# Altium PCB NORA-B1-EVK.PcbDoc (part 1 of 6)
Units mil, origin at the board's own origin, x right, y up, seen from the top; angles counter-clockwise.
Board outline 4300 x 2200 mil, 4 copper layers (L1, L2, L3, L4), stack 61.418 mil thick; 362 components, 204 nets, 1273 pads, 1409 vias.
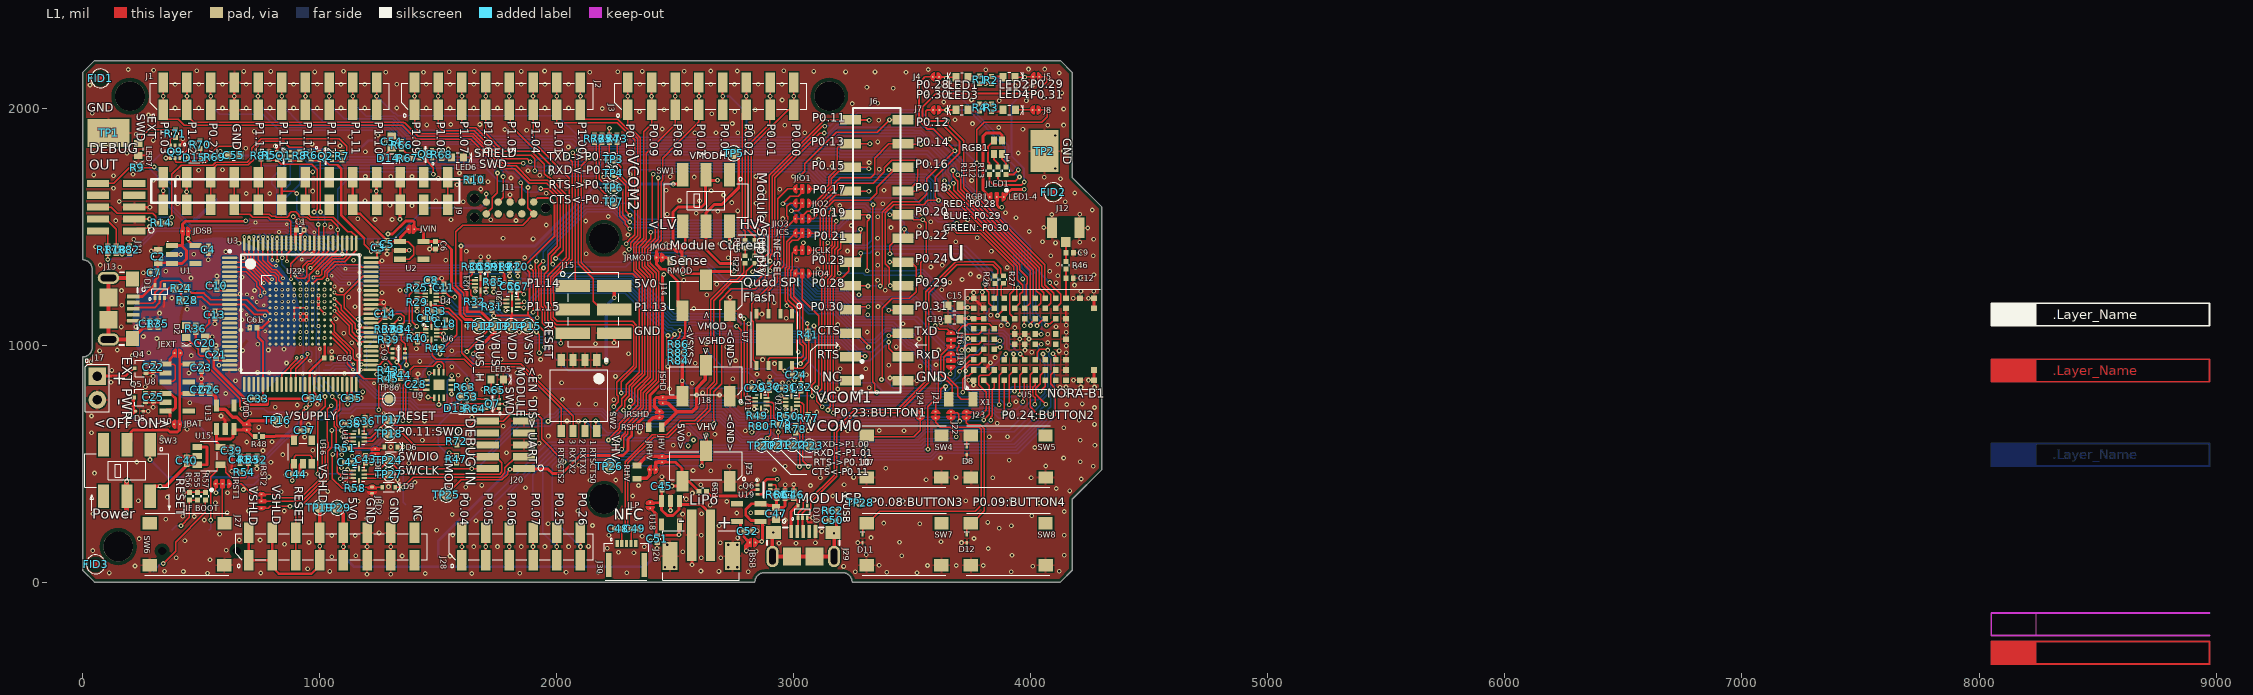
[diagram p0: L1 view]
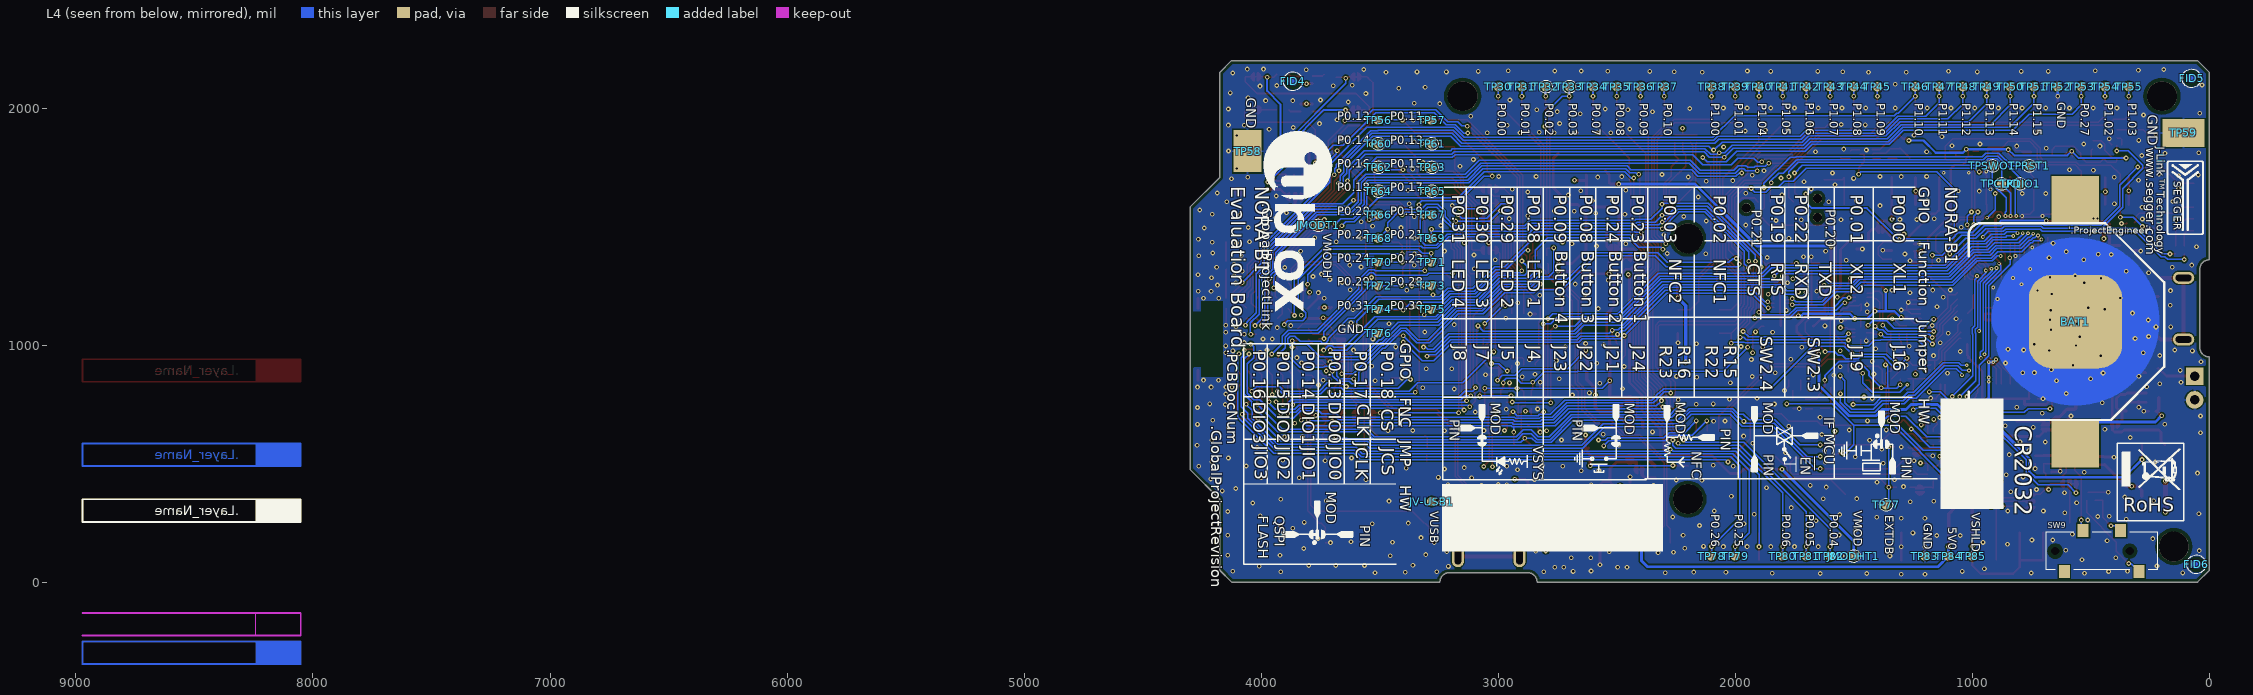
[diagram p1: L4 view, seen from below]
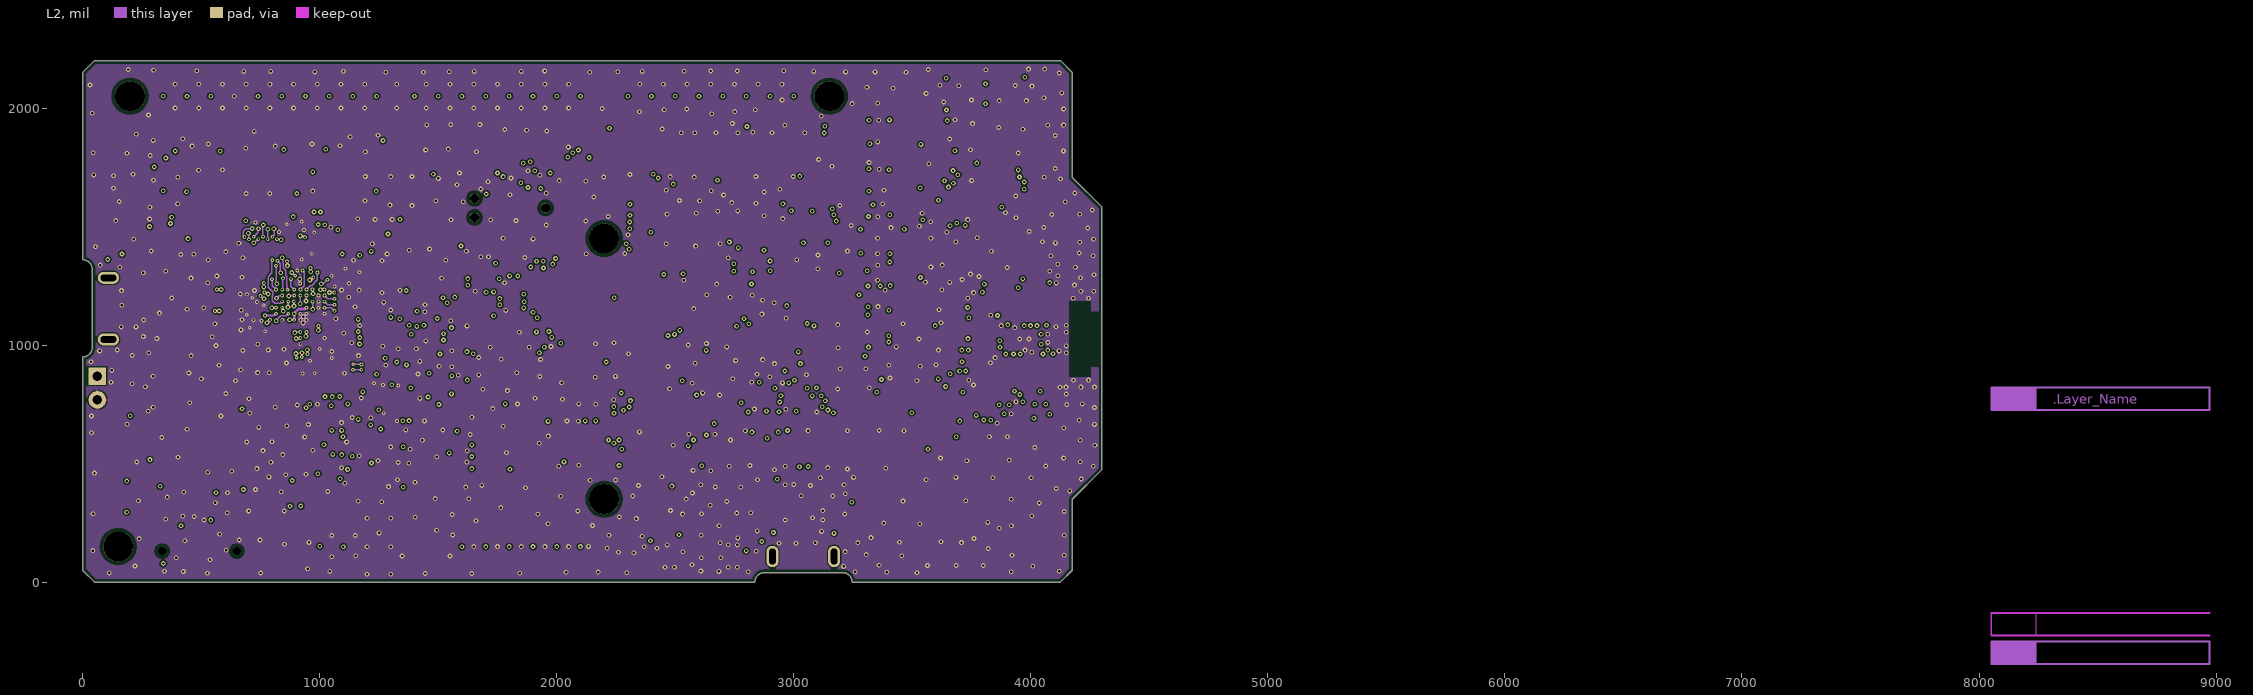
[diagram p2: L2]
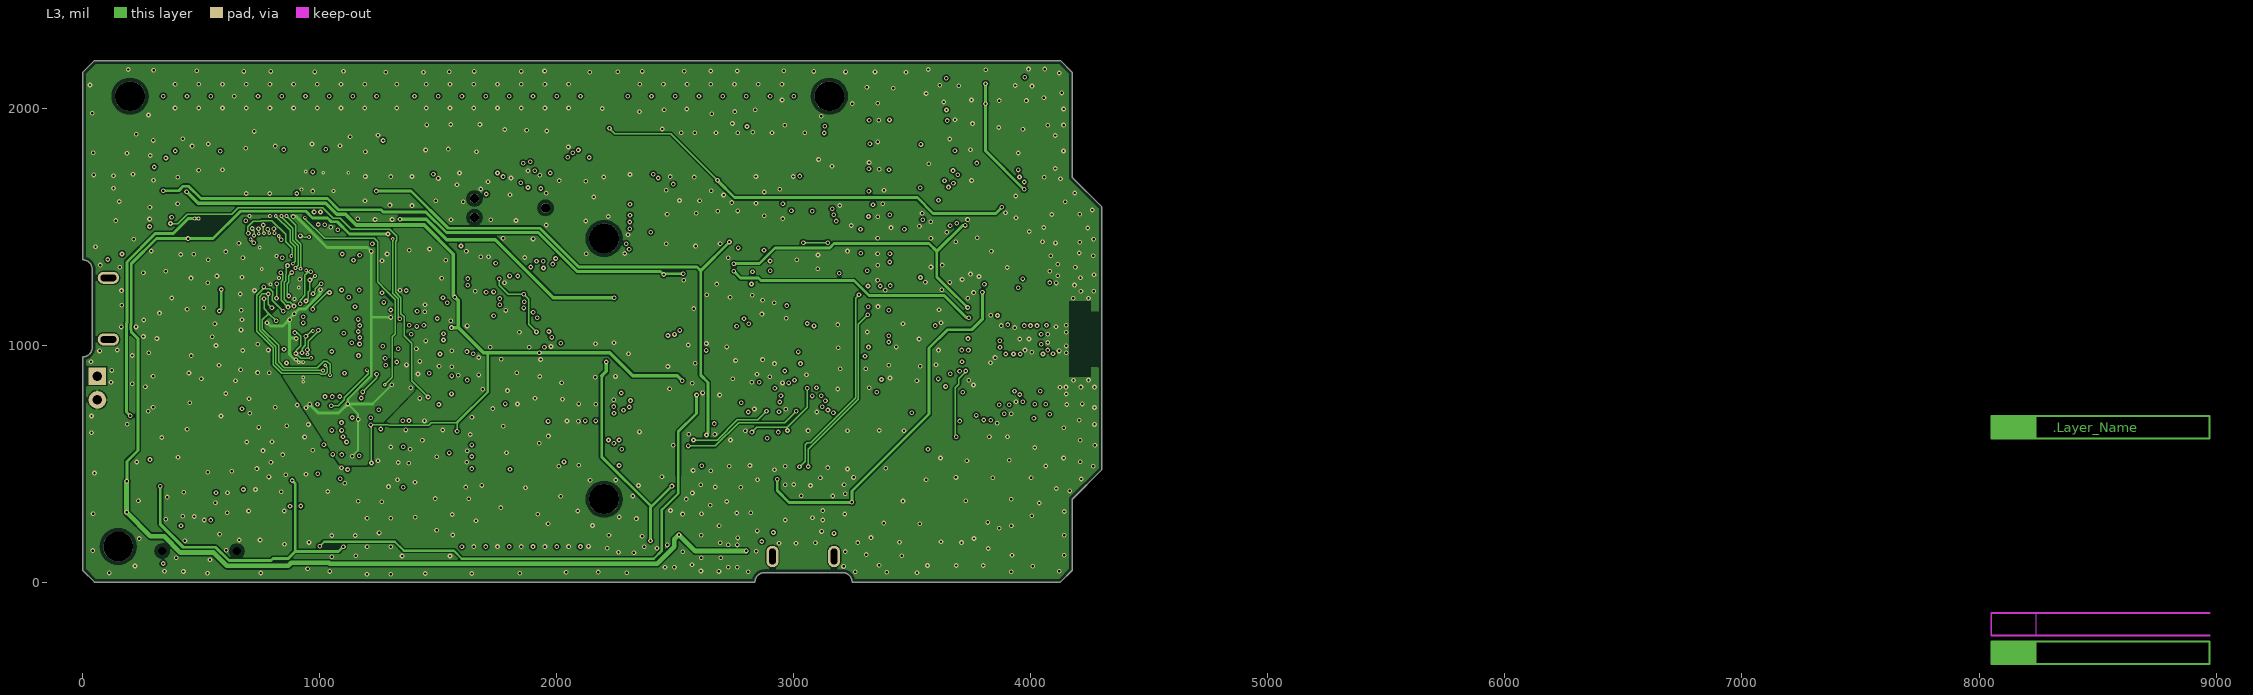
[diagram p3: L3]

## Layer stack, top to bottom
Top Solder: solder mask 0.5, Solder Resist, Dk 3.5
L1: signal copper 1.378
Dielectric 1: prepreg 4.3307, Composite dielectric, Dk 4.2
L2: signal copper 1.378
Core: core 47.2441, Composite dielectric, Dk 4.2
L3: signal copper 1.378
Dielectric 3: prepreg 4.3307, Composite dielectric, Dk 4.2
L4: signal copper 1.378
Bottom Solder: solder mask 0.5, Solder Resist, Dk 3.5

## Board outline
0,50 0,950 ccw(c0,990.5) 40.5,990.5 40.5,1319.5 ccw(c0,1319.5) 0,1360 0,2150 50,2200 4125,2200 4175,2150 4175,1707 4300,1582 4300,475 4175,350 4175,50 4125,0 3246.06,0 ccw(c3205.56,0) 3205.56,40.5 2876.57,40.5 ccw(c2876.57,0) 2836.06,0 50,0

## Design rules (kind name [scope] priority, off if disabled: settings)
BoardOutlineClearance [All] p1: gap=14 ignorepadtopadclearanceinfootprint=FALSE
Clearance [(InDifferentialPairClass('All Differential Pairs')) vs IsRegion] p1: gap=9.84 ignorepadtopadclearanceinfootprint=FALSE
Clearance Clearance_1 [InPolygon vs (InDifferentialPairClass('All Differential Pairs'))] p2: gap=11.81 ignorepadtopadclearanceinfootprint=FALSE
Clearance Clearance_Poly_1 [InPolygon vs (OnLayer('Keep-Out Layer')) OR (OnLayer('Multi-Layer') AND IsPad  AND Not(PadIsPlated))] p3: gap=5.91 ignorepadtopadclearanceinfootprint=FALSE except(0: Arc-Text Arc-Hole Track-Text Track-Hole SMDPad-Text SMDPad-Hole THPad-Text THPad-Hole Via-Text Via-Hole Fill-Text Fill-Hole Poly-Text Poly-Hole Region-Text Region-Hole Text-Text Text-Hole; 14.76: Arc-Poly Arc-Region Track-Poly Track-Region SMDPad-Poly SMDPad-Region THPad-Poly THPad-Region Via-Poly Via-Region Fill-Poly Fill-Region Poly-Poly Poly-Region Region-Region)
Clearance Clearance_2 [InNetClass('All Nets')] p4: gap=5.91 ignorepadtopadclearanceinfootprint=FALSE except(0: Arc-Text Arc-Hole Track-Text Track-Hole SMDPad-Text SMDPad-Hole THPad-Text THPad-Hole Via-Text Via-Hole Fill-Text Fill-Hole Poly-Text Poly-Hole Region-Text Region-Hole Text-Text Text-Hole)
ComponentClearance [All] p1: gap=5 collisioncheckmode=3 verticalgap=10 showdistances=FALSE
DiffPairsRouting [InDifferentialPairClass('All Differential Pairs')] p1: maxlimit=10 minlimit=5 mostfreqgap=6 toplayer_mingap=6 toplayer_minwidth=6 toplayer_maxwidth=8 toplayer_prefwidth=7 midlayer1_prefgap=5 midlayer1_minwidth=2.73 midlayer1_maxwidth=8 midlayer1_prefwidth=2.97 midlayer14_prefgap=5 midlayer14_minwidth=2.73 midlayer14_maxwidth=8 midlayer14_prefwidth=2.97 bottomlayer_mingap=6 bottomlayer_minwidth=6 bottomlayer_maxwidth=8 bottomlayer_prefwidth=7 impedanceprofiledriven=TRUE impedanceprofileid={B1A41FC7-E0A9-46D4-BE95-24A9F10C0ADD} impedanceprofilevalue=90.000000 maxuncoupledlength=500
Height [All] p1: minheight=0 maxheight=1000 prefheight=100
HoleSize [All] p1: absolutevalues=TRUE maxlimit=100000 minlimit=7.87 maxpercent=80.000 minpercent=20.000
HoleToHoleClearance [All] p1: gap=6 allowstackedmicrovias=TRUE
MinimumSolderMaskSliver [All] p1: minsoldermaskwidth=3
NetAntennae [NOT (HasFootprint('Solderbridge-Option') OR HasFootprint('Solderbridge-Short'))] p1: netantennaetolerance=0
PlaneClearance [InPoly] p1: clearance=8
PlaneConnect [All] p1 off: planeconnectstyle=Relief reliefexpansion=20 reliefentries=4 reliefconductorwidth=8 reliefairgap=6
PolygonConnect ThermalVias [IsVia] p1: connectstyle=Direct reliefconductorwidth=10 reliefentries=4 polygonreliefangle="90 Angle" airgapwidth=10
PolygonConnect "PolygonConnect - Power" [InNet('GND')] p2: connectstyle=Relief reliefconductorwidth=10 reliefentries=4 polygonreliefangle="90 Angle" airgapwidth=6
PolygonConnect PolygonConnect-BGA [InComponentClass('')] p3: connectstyle=Relief reliefconductorwidth=6 reliefentries=4 polygonreliefangle="45 Angle" airgapwidth=6
PolygonConnect PolygonConnect-General [All] p4: connectstyle=Relief reliefconductorwidth=6 reliefentries=4 polygonreliefangle="90 Angle" airgapwidth=6
RoutingVias [All] p1: holewidth=10 width=20 viastyle="Through Hole" minholewidth=7.87 minwidth=18 maxholewidth=12 maxwidth=24
SMDEntry [All] p1: side=TRUE corner=TRUE anyangle=TRUE
SilkToBoardRegionClearance [All] p1 off:
SilkToSilkClearance [All] p1 off: silktosilkclearance=1
SilkToSolderMaskClearance [IsPad] p1 off: minsilkscreentomaskgap=0 clearancetoexposedcopper=TRUE
SolderMaskExpansion SolderMaskExpansion_via [IsVia] p1: expansion=-10 istentingtop=FALSE
SolderMaskExpansion [All] p2: expansion=1.97 istentingtop=FALSE
UnRoutedNet [InNet('No Net')] p1: checkbadconnections=TRUE
Width [All] p1: maxlimit=200 minlimit=5.91 preferedwidth=5.91 toplayer_maxwidth=100 midlayer1_maxwidth=100 midlayer14_maxwidth=100 minimp=50.000000 maximp=50.000000 favimp=50.000000
17 further rules are at their usual default settings.

## Classes and differential pairs
net class 50_ohm_se: NetC9_1
component class UBX_NORA_B1_SCHEM_0000_Topsheet: FID1 FID2 FID3 FID4 FID5 FID6
component class UBX_NORA_B1_SCHEM_0003_Shield_Conn: C48 C49 C54 C56 C57 C58 C59 D14 J1 J2 J3 J6 J9 J15 J27 J28 J30 LED6 Q8 R10 R15 R16 R22 R23 R66 R67 R68 R81 R83 R84 R85 R86 TP32 TP33 TP60 TP61 TP62 TP63 TP64 TP65 U20 U21
component class UBX_NORA_B1_SCHEM_0005_Interface_Isolation: C8 C11 C16 C18 C29 C30 C31 C32 C36 C38 C42 C43 D6 D9 JBD2 JDB1 R33 R42 R49 R50 R51 R58 R72 R73 R74 R75 R76 R77 R78 R79 R80 SW2 TP3 TP4 TP6 TP7 TP17 TP18 TP20 TP21 TP22 TP23 TP24 TP27 TP77 U4 U6 U11 U12 U14 U17
component class UBX_NORA_B1_SCHEM_0006_Accessories: C24 D7 D8 D11 D12 J4 J5 J7 J8 J21 J22 J23 J24 JCLK JCS JIO1 JIO2 JIO3 JIO4 JLED1 LED1 LED2 LED3 LED4 R1 R2 R3 R4 R11 R12 R13 R41 RGB1 SW4 SW5 SW7 SW8 U7
net class USB_DIFF: MODUSBD_N MODUSBD_P USB_N USB_P USBD_N USBD_P
component class UBX_NORA_B1_SCHEM_0002_Power: Bat1 C2 C4 C5 C6 C7 C17 C22 C23 C25 C26 C27 C37 C39 C40 C41 C44 C45 C46 C47 C50 C51 C52 D1 D5 D10 J13 J14 J17 J18 J25 J26 J29 J303 JBAT JBSB JDSB JEXT JHV JLP JMOD JMODHT1 JMODT1 JRHV JRMOD JRSHD JSHD JVBAT JVDD JVIN Q4 Q5 R35 R37 R48 R52 R53 R54 R55 R56 R57 R61 R62 RHV RMOD RSHD SW1 SW3 SW9 TP1 TP2 TP5 TP12 TP13 TP14 TP15 TP16 TP19 TP25 TP26 TP29 TP58 TP59 U1 U2 U8 U10 U13 U15 U16 U18 U19
component class UBX_NORA_B1_SCHEM_0004_Interface_MCU: C1 C3 C10 C13 C14 C20 C21 C28 C33 C34 C35 C53 C55 C60 C61 D2 D13 D15 J10 J11 JRST1 JRST2 LED5 LED7 Q1 Q2 Q3 Q7 Q9 R5 R6 R7 R8 R9 R14 R17 R18 R19 R20 R21 R24 R25 R28 R29 R30 R31 R32 R34 R36 R38 R39 R40 R43 R44 R45 R47 R63 R64 R65 R69 R70 R71 R82 SW6 TP86 TPCLK1 TPDIO1 TPRST1 TPSWO1 U3 U9 U22
component class UBX_NORA_B1_SCHEM_0001_NORA_B1_Module: C9 C12 C15 C19 J02 J03 J12 J16 J19 J20 JV-USB1 Q6 R26 R27 R46 R59 R60 TP28 TP30 TP31 TP34 TP35 TP36 TP37 TP38 TP39 TP40 TP41 TP42 TP43 TP44 TP45 TP46 TP47 TP48 TP49 TP50 TP51 TP52 TP53 TP54 TP55 TP56 TP57 TP66 TP67 TP68 TP69 TP70 TP71 TP72 TP73 TP74 TP75 TP76 TP78 TP79 TP80 TP81 TP82 TP83 TP84 TP85 U5 X1
differential pair MODUSBD: +MODUSBD_P -MODUSBD_N
differential pair USBD: +USBD_P -USBD_N
differential pair USB: +USB_P -USB_N

## Components (designator, comment, footprint, x,y, rotation, side; value= is the part's Value field where it differs from the comment)
BAT1 "UBXH03-0000010" Battery_S8211-46R_large 564.96,1099.17 r90 bottom locked
C1 "UBXH01-2021002100N" "Cap 0402 HD" 918.31,1485.79 r0 top value=100N
C2 "UBXH01-000004010U" "Cap 0603 HD" 319.25,1373 r90 top value=10U
C3 "UBXH01-2021002100N" "Cap 0402 HD" 1246.06,1411.42 r90 top value=100N
C4 "UBXH01-00002481U" "Cap 0402 HD" 530.51,1402.56 r270 top value=1U
C5 "UBXH01-00002481U" "Cap 0402 HD" 1284.45,1425.2 r270 top value=1U
C6 "UBXH01-00002481U" "Cap 0402 HD" 1488.14,1421.26 r270 top value=1U
C7 "UBXH01-2021002100N" "Cap 0402 HD" 301.25,1306 r180 top value=100N
C8 "UBXH01-2021002100N" "Cap 0402 HD" 1471.46,1273.46 r0 top value=100N
C9 "UBXH01-00090021P0" "Cap 0402 HD" 4164.37,1389.76 r0 top value=1P0
C10 "UBXH01-2021002100N" "Cap 0402 HD" 566.57,1250.21 r90 top value=100N
C11 "UBXH01-2021002100N" "Cap 0402 HD" 1524,1241.91 r270 top value=100N
C12 "UBXH01-00090021P0" "Cap 0402 HD" 4163.39,1281.75 r0 top value=1P0
C13 "UBXH01-2021002100N" "Cap 0402 HD" 558.12,1128.24 r270 top value=100N
C14 "UBXH01-2021002100N" "Cap 0402 HD" 1275.78,1132.1 r90 top value=100N
C15 "UBXH01-20020034U7" "Cap 0603 HD" 3676.65,1165.43 r180 top value=4U7
C16 "UBXH01-2021002100N" "Cap 0402 HD" 1456.2,1112.41 r180 top value=100N
C17 "UBXH01-2021002100N" "Cap 0402 HD" 283.47,1089.06 r270 top value=100N
C18 "UBXH01-2021002100N" "Cap 0402 HD" 1530.51,1089.68 r270 top value=100N
C19 "UBXH01-20020034U7" "Cap 0603 HD" 3676.65,1109.33 r180 top value=4U7
C20 "UBXH01-000004010U" "Cap 0603 HD" 517.53,1008.08 r90 top value=10U
C21 "UBXH01-2021002100N" "Cap 0402 HD" 563.64,959.59 r90 top value=100N
C22 "UBXH01-00002481U" "Cap 0402 HD" 298.23,907.48 r270 top value=1U
C23 "UBXH01-00002481U" "Cap 0402 HD" 500.98,903.93 r270 top value=1U
C24 "UBXH01-2021002100N" "Cap 0402 HD" 3010.46,875.06 r0 top value=100N
C25 "UBXH01-00002481U" "Cap 0402 HD" 298.23,780 r270 top value=1U
C26 "UBXH01-00002481U" "Cap 0402 HD" 536.01,812.01 r90 top value=1U
C27 "UBXH01-00002481U" "Cap 0402 HD" 500.98,812.01 r90 top value=1U
C28 "UBXH01-2021002100N" "Cap 0402 HD" 1405.86,833.87 r90 top value=100N
C29 "UBXH01-2021002100N" "Cap 0402 HD" 2838.47,817.95 r180 top value=100N
C30 "UBXH01-2021002100N" "Cap 0402 HD" 2897.83,824.3 r270 top value=100N
C31 "UBXH01-2021002100N" "Cap 0402 HD" 2967.57,816.34 r180 top value=100N
C32 "UBXH01-2021002100N" "Cap 0402 HD" 3030.99,822.24 r270 top value=100N
C33 "UBXH01-2021002100N" "Cap 0402 HD" 741.35,773.62 r180 top value=100N
C34 "UBXH01-2021002100N" "Cap 0402 HD" 971.09,775.7 r0 top value=100N
C35 "UBXH01-2021002100N" "Cap 0402 HD" 1135.56,776.06 r0 top value=100N
C36 "UBXH01-2021002100N" "Cap 0402 HD" 1191.04,678.67 r270 top value=100N
C37 "UBXH01-2021002100N" "Cap 0402 HD" 936.69,639.92 r0 top value=100N
C38 "UBXH01-2021002100N" "Cap 0402 HD" 1129.65,667.81 r180 top value=100N
C39 "UBXH01-00002481U" "Cap 0402 HD" 629.36,554.49 r270 top value=1U
C40 "UBXH01-00002481U" "Cap 0402 HD" 439.06,512.02 r90 top value=1U
C41 "UBXH01-00000131N0" "Cap 0402 HD" 663.82,516.94 r270 top value=1N0
C42 "UBXH01-2021002100N" "Cap 0402 HD" 1119.81,505.13 r180 top value=100N
C43 "UBXH01-2021002100N" "Cap 0402 HD" 1193.44,517.91 r270 top value=100N
C44 "UBXH01-00002481U" "Cap 0402 HD" 901.14,455 r0 top value=1U
C45 "UBXH01-00002481U" "Cap 0402 HD" 2443.62,404.53 r90 top value=1U
C46 "UBXH01-2021002100N" "Cap 0402 HD" 3000,369.23 r90 top value=100N
C47 "UBXH01-000004010U" "Cap 0603 HD" 2925,289.23 r270 top value=10U
C48 "UBXH01-0000594300P" "Cap 0402 HD" 2259.09,225.51 r0 top value=300P
C49 "UBXH01-0000594300P" "Cap 0402 HD" 2329.09,225.51 r0 top value=300P
C50 "UBXH01-2021002100N" "Cap 0402 HD" 3165,260.23 r0 top value=100N
C51 "UBXH01-00002481U" "Cap 0402 HD" 2424.21,182.09 r270 top value=1U
C52 "UBXH01-00002481U" "Cap 0402 HD" 2806.02,215.67 r0 top value=1U
C53 "UBXH01-20020034U7" "Cap 0603 HD" 1622.16,781.59 r180 top value=4U7
C54 "UBXH01-20020034U7" "Cap 0603 HD" 1304.51,1857.28 r270 top value=4U7
C55 "UBXH01-20020034U7" "Cap 0603 HD" 637.8,1800.2 r0 top value=4U7
C56 "UBXH01-2021002100N" "Cap 0402 HD" 1805.91,1248.2 r90 top value=100N
C57 "UBXH01-2021002100N" "Cap 0402 HD" 1836.61,1247.11 r270 top value=100N
C58 "UBXH01-2021002100N" "Cap 0402 HD" 1678.97,1330.69 r90 top value=100N
C59 "UBXH01-2021002100N" "Cap 0402 HD" 1711.26,1330.69 r270 top value=100N
C60 "UBXH01-2021002100N" "Cap 0402 HD" 1034.86,945.58 r0 top value=100N
C61 "UBXH01-2021002100N" "Cap 0402 HD" 720.47,1073.31 r180 top value=100N
D1 "UBXH07-0000086" SOT-553 325.25,1226 r90 top value=TPD3E001DRLR
D2 "UBXH11-0000000" LED_0603_RED 437.77,1057.56 r90 top value=RED
D5 "UBXH07-0000034" SOD-923 239.76,721.46 r0 top value=3V3
D6 "UBXH07-0000039" SOD-523 1300.3,570.17 r180 top value=RB521S30T1G
D7 "UBXH07-0000034" SOD-923 3300.21,550.24 r270 top value=3V3
D8 "UBXH07-0000034" SOD-923 3730,553.46 r270 top value=3V3
D9 "UBXH07-0000039" SOD-523 1291,401 r180 top value=RB521S30T1G
D10 "UBXH07-0000086" SOT-553 3037,298.23 r90 top value=TPD3E001DRLR
D11 "UBXH07-0000034" SOD-923 3290,183.46 r270 top value=3V3
D12 "UBXH07-0000034" SOD-923 3730,183.46 r270 top value=3V3
D13 "UBXH07-0000039" SOD-523 1572.83,734.25 r180 top value=RB521S30T1G
D14 "UBXH07-0000039" SOD-523 1288.59,1787.85 r180 top value=RB521S30T1G
D15 "UBXH07-0000039" SOD-523 470.47,1789.81 r180 top value=RB521S30T1G
FID1 "FID" FIDUCIAL40 75,2125 r90 top
FID2 "FID" FIDUCIAL40 4094.49,1645.46 r90 top
FID3 "FID" FIDUCIAL40 55,75 r90 top
FID4 "FID" FIDUCIAL40 3866,2113 r90 bottom
FID5 "FID" FIDUCIAL40 75,2125 r90 bottom
FID6 "FID" FIDUCIAL40 55,75 r90 bottom
J1 "UBXH04-0000788" SKT-0.1P-SSM-110-L-SV 790,2050 r0 top locked value=91601-310GLF
J2 "UBXH04-0000789" SKT-0.1P-SSM-108-L-SV 1750,2050 r0 top locked value=91601-308GLF
J3 "UBXH04-0000789" SKT-0.1P-SSM-108-L-SV 2650,2050 r0 top locked value=91601-308GLF
J4 "UBXH00-0000084" Solderbridge-Short 3612.98,2131.44 r180 top net-tie
J5 "UBXH00-0000084" Solderbridge-Short 4008.83,2131.89 r0 top net-tie
J6 "SSM-112-F-DV" SSM-112-F-DV 3350,1400 r270 top locked
J7 "UBXH00-0000084" Solderbridge-Short 3614,1992 r180 top net-tie
J8 "UBXH00-0000084" Solderbridge-Short 4007.4,1992 r0 top net-tie
J9 "UBXH04-0000801" TSM-113-01-L-SV 340,1650 r0 top locked value=TSM-113-01-L-SV
J10 "UBXH04-0000194" FTSH-105-01-F-DV-K 141.73,1582 r90 top value=FTSH-105-01-L-DV-K
J11 "UBXH00-0000101" TC2050-IDC-NL 1903,1603.58 r180 top value=TC2050-IDC-NL
J12 "UBXH04-0000657" U.FL_3Pin 4147.64,1494.09 r0 top value=U.FL-R-SMT-1(80)
J13 "UBXH04-0000804" USB_MICRO_RA_W-2TABS 108.84,1153.74 r270 top value=10118193-0001LF
J14 "UBXH04-0000792" HDR-0.1P-3Pin-1Row-SMT 2630,1210 r180 top locked value=M20-8770342
J15 "UBXH04-0000805" HDR-0.1P-6Pin-3x2-SMT 2155,1150 r270 top locked value=0015912060
J16 "UBXH00-0000083" Solderbridge-Option#1 3663.02,992.85 r90 top net-tie
J17 "UBXH04-0000026" HDR-0.1P-2PIN-TH 62,819 r180 top value=M20-9990245
J18 "UBXH04-0000792" HDR-0.1P-3Pin-1Row-SMT 2630,850 r180 top locked value=M20-8770342
J19 "UBXH00-0000083" Solderbridge-Option#1 3662.57,964.3 r270 top net-tie
J20 "UBXH04-0000194" FTSH-105-01-F-DV-K 1785,579 r90 top locked value=FTSH-105-01-L-DV-K
J21 "UBXH00-0000084" Solderbridge-Short 3598.13,692.16 r90 top net-tie
J22 "UBXH00-0000084" Solderbridge-Short 3663.13,692.16 r90 top net-tie
J23 "UBXH00-0000084" Solderbridge-Short 3728.13,692.16 r90 top net-tie
J24 "UBXH00-0000084" Solderbridge-Short 3533.13,692.16 r90 top net-tie
J25 "UBXH04-0000792" HDR-0.1P-3Pin-1Row-SMT 2630,490 r180 top locked value=M20-8770342
J26 "UBXH04-0000791" B2B-PH-SM4-TB 2609.54,197.83 r180 top value=B2B-PH-SM4-TB
J27 "UBXH04-0000789" SKT-0.1P-SSM-108-L-SV 1050,150 r0 top locked value=91601-308GLF
J28 "UBXH04-0000790" SKT-0.1P-SSM-106-L-SV 1850,150 r0 top locked value=91601-306GLF
J29 "UBXH04-0000804" USB_MICRO_RA_W-2TABS 3040,108.23 r0 top value=10118193-0001LF
J30 "UBXH04-0000800" "Molex 051281-0594" 2294.09,72.51 r0 top locked value=0512810598
JBAT "UBXH00-0000082" Solderbridge-Open#1 409.84,666.02 r180 top
JBD2 "UBXH00-0000082" Solderbridge-Open#2 1221,388 r90 top
JBSB "UBXH00-0000082" Solderbridge-Open#3 2813.98,166.93 r0 top
JCLK "UBXH00-0000083" Solderbridge-Option#2 3006.25,1400.16 r0 top net-tie
JCS "UBXH00-0000083" Solderbridge-Option#3 3006.25,1472.35 r0 top net-tie
JDB1 "UBXH00-0000082" Solderbridge-Open#4 1233.91,538.13 r90 top
JDSB "UBXH00-0000082" Solderbridge-Open#4 445.87,1480.17 r180 top
JEXT "UBXH00-0000082" Solderbridge-Open#5 412.19,966.14 r180 top
JHV "UBXH00-0000082" Solderbridge-Open#1 2444.47,530.51 r270 top
JIO1 "UBXH00-0000083" Solderbridge-Option#3 3006.25,1658.68 r0 top net-tie
JIO2 "UBXH00-0000083" Solderbridge-Option#4 3006.25,1598.43 r0 top net-tie
JIO3 "UBXH00-0000083" Solderbridge-Option#5 3006.25,1532.92 r0 top net-tie
JIO4 "UBXH00-0000083" Solderbridge-Option#3 3006.26,1302.09 r0 top net-tie
JLED1 "UBXH00-0000083" Solderbridge-Option#1 3886,1625 r180 top net-tie
JLP "UBXH00-0000082" Solderbridge-Open#1 2394.41,311.87 r90 top
JMOD "UBXH00-0000082" Solderbridge-Open#6 2527.13,1407.76 r180 top
JMODHT1 "TP" TP10R 1500,110 r90 bottom
JMODT1 "TP" TP10R 3760,1505 r90 bottom
JRHV "UBXH00-0000084" Solderbridge-Short 2391.96,475 r0 top net-tie
JRMOD "UBXH00-0000084" Solderbridge-Short 2446.88,1369.59 r180 top net-tie
JRSHD "UBXH00-0000084" Solderbridge-Short 2432.97,693.87 r90 top net-tie
JRST1 "UBXH00-0000083" Solderbridge-Option#6 560.47,415 r0 top net-tie
JRST2 "UBXH00-0000083" Solderbridge-Option#7 754,371 r270 top net-tie
JSHD "UBXH00-0000082" Solderbridge-Open#7 2447,755.05 r90 top
JV-USB1 "TP" TP10R_NO_SILK 3281,340 r90 bottom
JVDD "UBXH00-0000082" Solderbridge-Open#6 692.2,666.31 r270 top